# KiCad board hypjolin.kicad_pcb (continued)
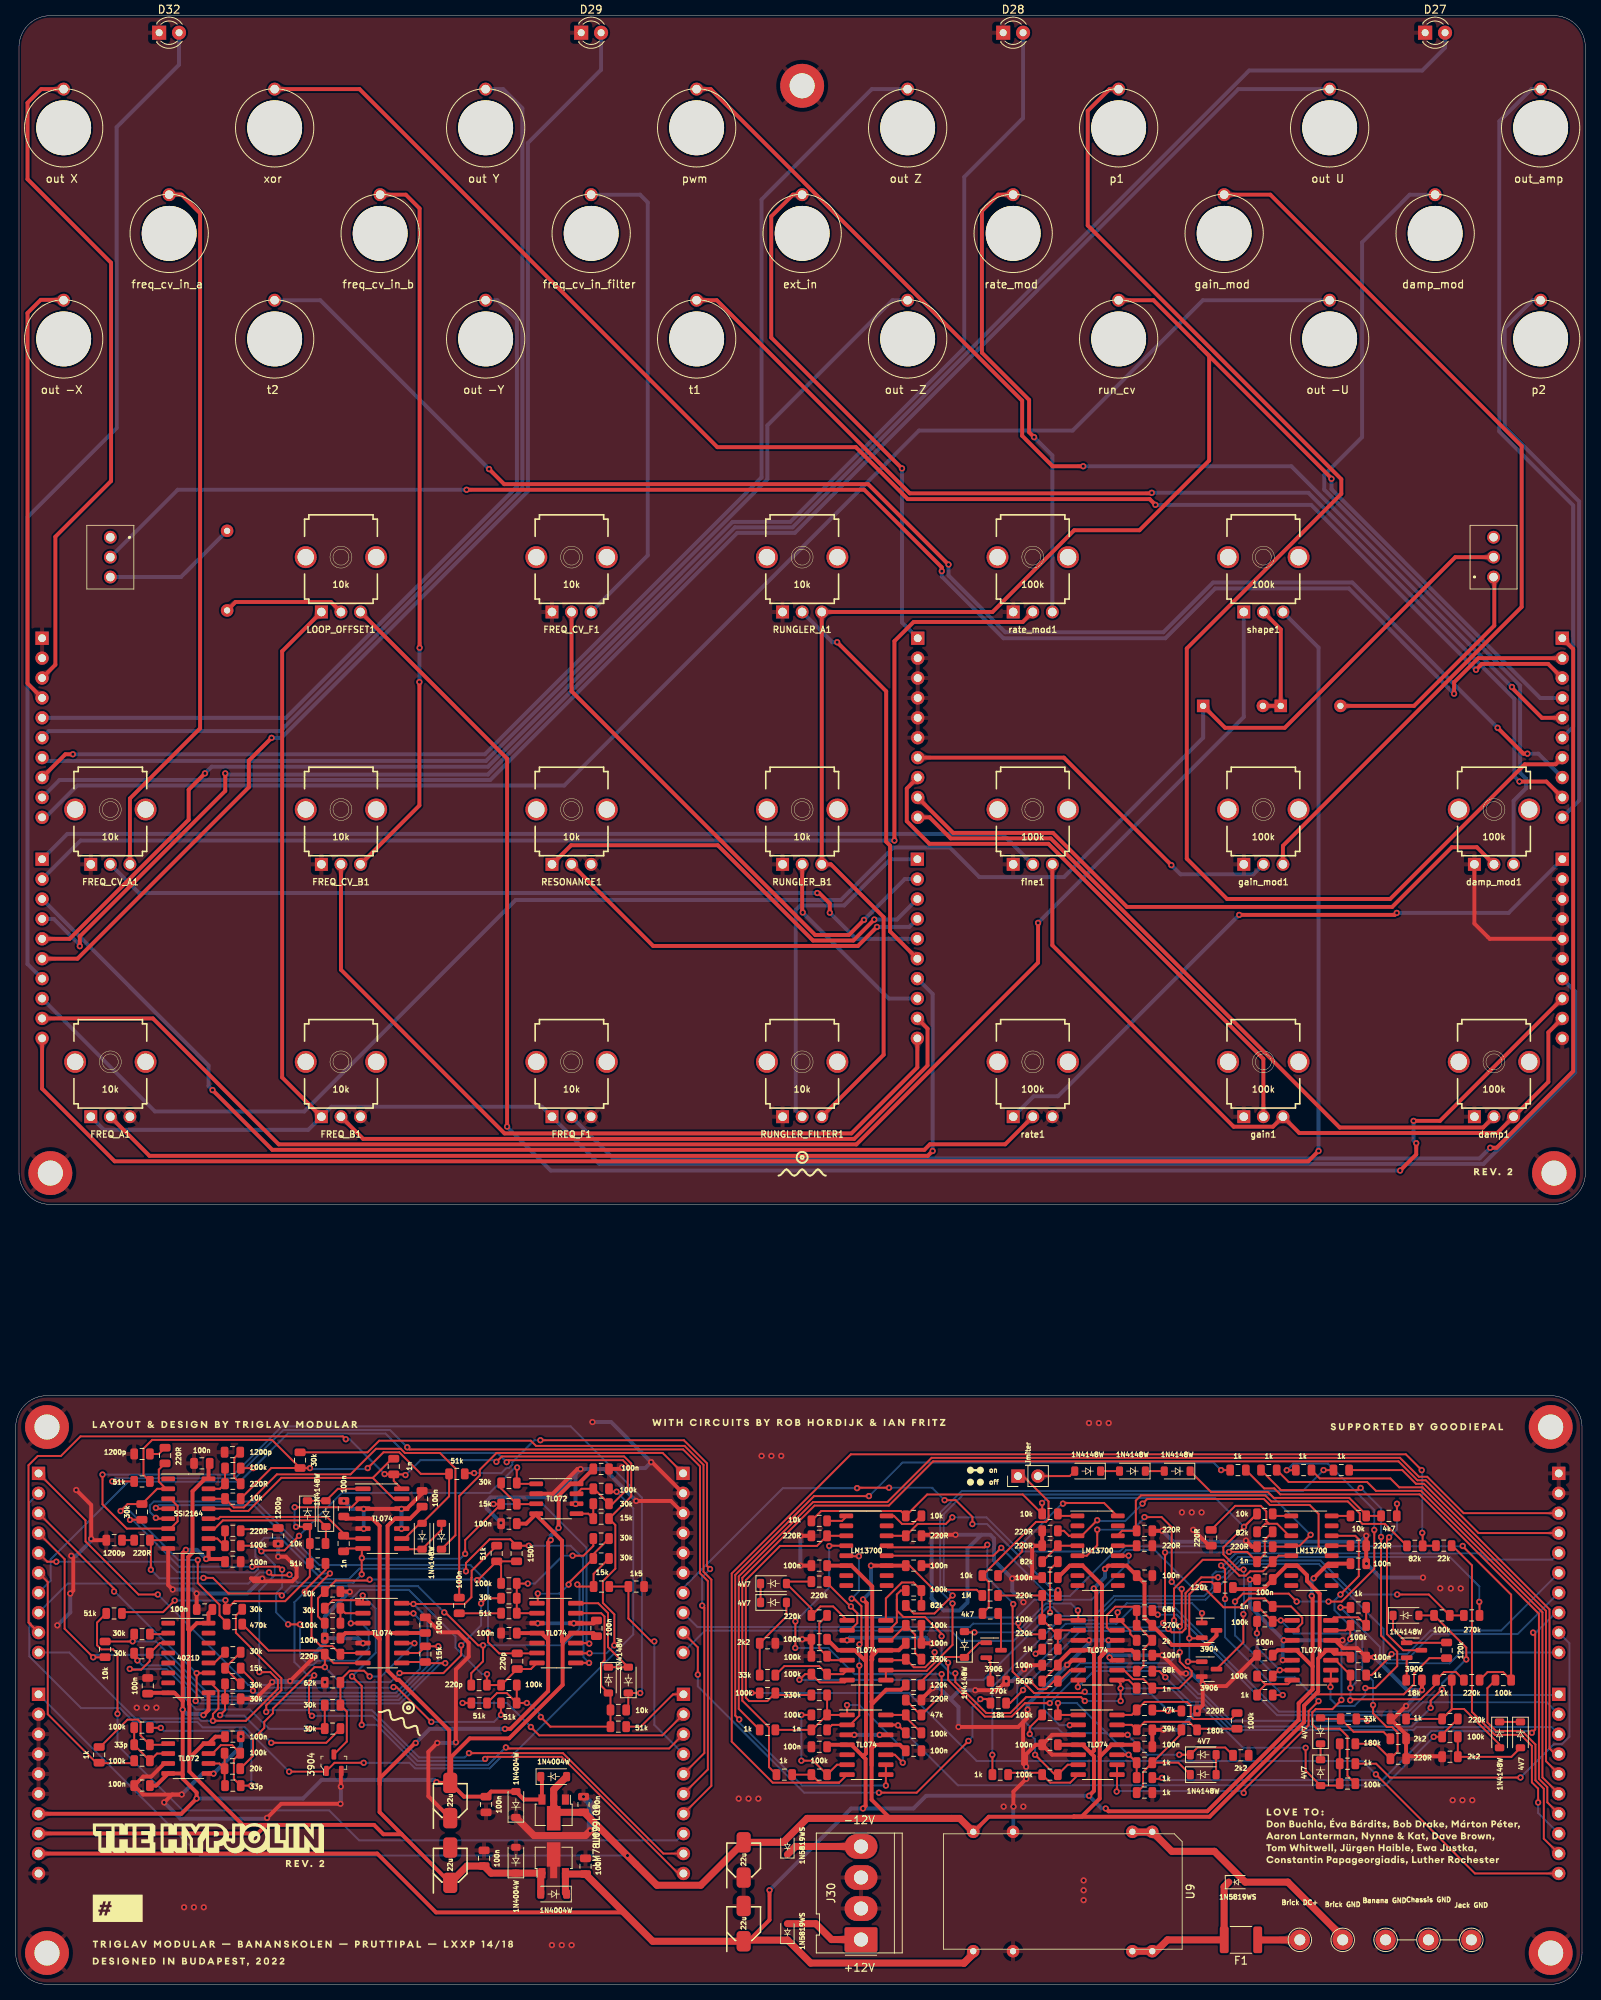
[diagram p0: board, top side]
## Copper pours and planes (outline as drawn; the poured copper is in the pictures) (continued)
/P / shape_IN1 on Top: 3.62,119.03 3.63,119.22 3.65,119.39 3.68,119.52 3.73,119.64 3.78,119.75 3.84,119.85 3.98,120.07 4.06,120.2 4.14,120.35 3.37,121.15 2.61,120.35 2.68,120.2 2.76,120.07 2.9,119.85 2.96,119.75 3.02,119.64 3.06,119.52 3.09,119.39 3.11,119.22 3.12,119.03
/P / shape_IN1 on Bottom: 163.15,174.14 163.02,174.28 162.93,174.41 162.85,174.52 162.8,174.63 162.76,174.74 162.73,174.86 162.68,175.1 162.64,175.24 162.59,175.4 161.52,175.42 161.54,174.35 161.7,174.3 161.84,174.26 162.08,174.21 162.2,174.18 162.31,174.14 162.42,174.09 162.53,174.02 162.66,173.92 162.8,173.79
/P / shape_IN2 on Top: 5.06,123.51 4.87,123.52 4.7,123.54 4.57,123.57 4.45,123.61 4.34,123.67 4.24,123.73 4.02,123.87 3.89,123.95 3.74,124.03 2.95,123.26 3.74,122.5 3.89,122.57 4.02,122.65 4.24,122.79 4.34,122.85 4.45,122.91 4.57,122.95 4.7,122.98 4.87,123 5.06,123.01
/P / shape_IN2 on Bottom: 157.06,173.48 157.07,173.67 157.09,173.83 157.12,173.97 157.16,174.08 157.21,174.19 157.27,174.29 157.41,174.5 157.48,174.62 157.56,174.77 156.81,175.54 156.07,174.77 156.15,174.62 156.22,174.5 156.36,174.29 156.41,174.19 156.46,174.08 156.51,173.97 156.54,173.83 156.56,173.67 156.56,173.48
/P / shape_OUT on Top: 152.93,162.2 152.8,162.33 152.71,162.45 152.64,162.56 152.59,162.67 152.55,162.78 152.52,162.88 152.47,163.12 152.43,163.25 152.38,163.41 151.35,163.43 151.37,162.39 151.52,162.34 151.65,162.3 151.89,162.25 152,162.22 152.1,162.18 152.21,162.13 152.32,162.06 152.44,161.97 152.58,161.84
/P / shape_OUT on Top: 187.08,181.88 187.27,181.87 187.42,181.85 187.56,181.82 187.67,181.78 187.77,181.73 187.87,181.67 188.08,181.54 188.21,181.46 188.35,181.39 189.12,182.12 188.35,182.86 188.21,182.79 188.08,182.71 187.87,182.58 187.77,182.52 187.67,182.47 187.56,182.43 187.42,182.4 187.27,182.38 187.08,182.38
/P / shape_OUT on Bottom: 151.88,161.55 151.88,161.74 151.9,161.89 151.93,162.02 151.97,162.13 152.02,162.23 152.08,162.33 152.2,162.53 152.27,162.65 152.35,162.79 151.63,163.54 150.91,162.79 150.98,162.65 151.05,162.53 151.18,162.33 151.24,162.23 151.28,162.13 151.32,162.02 151.35,161.89 151.37,161.74 151.38,161.55
/P / shape_OUT on Bottom: 4.74,124.78 4.61,124.92 4.51,125.05 4.44,125.17 4.38,125.29 4.35,125.4 4.32,125.52 4.26,125.77 4.22,125.92 4.17,126.08 3.07,126.1 3.09,125 3.25,124.95 3.4,124.91 3.65,124.85 3.77,124.83 3.88,124.79 4,124.73 4.12,124.66 4.25,124.56 4.39,124.43
/P / T1 on Top: 196.11,152.48 196.24,152.33 196.34,152.21 196.41,152.08 196.46,151.97 196.5,151.86 196.53,151.74 196.59,151.49 196.62,151.34 196.67,151.18 197.78,151.16 197.76,152.26 197.59,152.31 197.45,152.35 197.2,152.4 197.08,152.43 196.97,152.47 196.85,152.52 196.73,152.6 196.6,152.7 196.46,152.83
/P / T1 on Top: 88.59,215.16 88.4,215.17 88.24,215.19 88.11,215.22 87.99,215.26 87.89,215.31 87.79,215.37 87.58,215.5 87.45,215.58 87.31,215.65 86.53,214.91 87.31,214.17 87.45,214.25 87.58,214.32 87.79,214.45 87.89,214.51 87.99,214.56 88.11,214.6 88.24,214.64 88.4,214.66 88.59,214.66
/P / T2 on Bottom: 196.11,155.02 196.24,154.87 196.34,154.75 196.41,154.62 196.46,154.51 196.5,154.4 196.53,154.28 196.59,154.03 196.62,153.88 196.67,153.72 197.78,153.7 197.76,154.8 197.59,154.85 197.45,154.89 197.2,154.94 197.08,154.97 196.97,155.01 196.85,155.06 196.73,155.14 196.6,155.24 196.46,155.37
/P / T2 on Bottom: 34.71,215.16 34.52,215.17 34.36,215.19 34.23,215.22 34.11,215.26 34.01,215.31 33.91,215.37 33.69,215.5 33.57,215.58 33.42,215.65 32.65,214.91 33.42,214.17 33.57,214.25 33.69,214.32 33.91,214.45 34.01,214.51 34.11,214.56 34.23,214.6 34.36,214.64 34.52,214.66 34.71,214.66
/P / XOR on Top: 34.71,242.1 34.52,242.11 34.36,242.13 34.23,242.16 34.11,242.2 34.01,242.25 33.91,242.31 33.69,242.45 33.57,242.52 33.42,242.6 32.65,241.85 33.42,241.11 33.57,241.19 33.69,241.26 33.91,241.4 34.01,241.45 34.11,241.5 34.23,241.55 34.36,241.58 34.52,241.6 34.71,241.6
/P / XOR on Top: 196.11,167.72 196.24,167.57 196.34,167.45 196.41,167.32 196.46,167.21 196.5,167.1 196.53,166.98 196.59,166.73 196.62,166.58 196.67,166.42 197.78,166.4 197.76,167.5 197.59,167.55 197.45,167.59 197.2,167.64 197.08,167.67 196.97,167.71 196.85,167.76 196.73,167.84 196.6,167.94 196.46,168.07
/PWM on Top: 4.16,54.06 3.99,54.08 3.88,54.14 3.81,54.23 3.78,54.35 3.77,54.48 3.77,54.64 3.78,54.81 3.78,54.98 3.77,55.15 3.72,55.32 2.62,55.35 2.92,54.2 3.08,54.18 3.21,54.16 3.32,54.11 3.42,54.06 3.51,54 3.61,53.95 3.72,53.89 3.84,53.85 3.99,53.82 4.16,53.81
/rate_mod_pot on Bottom: 195.74,35.57 195.88,35.42 195.97,35.29 196.04,35.16 196.08,35.04 196.1,34.91 196.11,34.79 196.13,34.66 196.14,34.52 196.17,34.36 196.23,34.19 197.33,34.17 197.31,35.27 197.13,35.32 196.98,35.35 196.84,35.37 196.7,35.38 196.58,35.39 196.46,35.42 196.33,35.46 196.21,35.52 196.07,35.62 195.92,35.75
/rate_pot on Bottom: 195.7,32.7 195.85,32.68 195.96,32.64 196.04,32.56 196.09,32.47 196.12,32.36 196.14,32.23 196.15,32.09 196.16,31.94 196.18,31.8 196.23,31.65 197.33,31.63 197.03,32.78 196.87,32.78 196.73,32.79 196.61,32.81 196.5,32.84 196.29,32.89 196.17,32.91 196.04,32.93 195.88,32.94 195.7,32.95
/reso_pot_A on Bottom: 83.98,30.49 84.12,30.34 84.21,30.21 84.28,30.08 84.32,29.96 84.34,29.83 84.35,29.71 84.37,29.58 84.38,29.44 84.41,29.28 84.47,29.11 85.57,29.09 85.55,30.19 85.37,30.24 85.22,30.27 85.08,30.29 84.94,30.3 84.82,30.31 84.7,30.34 84.57,30.38 84.45,30.44 84.31,30.54 84.16,30.67
/reso_pot_B on Top: 84.16,30.64 84.31,30.78 84.45,30.87 84.57,30.94 84.7,30.97 84.82,31 84.94,31.01 85.08,31.02 85.22,31.04 85.37,31.07 85.55,31.12 85.57,32.23 84.47,32.21 84.41,32.03 84.38,31.88 84.37,31.73 84.35,31.6 84.34,31.48 84.32,31.36 84.28,31.23 84.21,31.1 84.12,30.97 83.98,30.82
/run_a_pot on Top: 86.37,25.59 86.23,25.46 86.09,25.36 85.96,25.3 85.84,25.26 85.72,25.23 85.59,25.22 85.46,25.21 85.32,25.19 85.16,25.16 84.99,25.11 84.97,24.01 86.07,24.03 86.12,24.2 86.15,24.36 86.17,24.5 86.18,24.63 86.2,24.75 86.22,24.88 86.26,25 86.32,25.13 86.42,25.26 86.55,25.41
/run_b_pot on Bottom: 83.92,18.25 84.11,18.25 84.26,18.26 84.4,18.28 84.51,18.3 84.73,18.33 84.84,18.35 84.96,18.36 85.1,18.37 85.27,18.38 85.57,19.53 84.47,19.51 84.43,19.36 84.4,19.22 84.37,18.95 84.34,18.82 84.31,18.72 84.26,18.63 84.18,18.56 84.07,18.52 83.92,18.5
/RUN_CV on Top: 4.21,56.48 4.07,56.63 3.98,56.76 3.91,56.89 3.87,57.01 3.85,57.14 3.84,57.26 3.82,57.39 3.81,57.54 3.78,57.69 3.72,57.86 2.62,57.89 2.64,56.78 2.82,56.73 2.97,56.7 3.11,56.68 3.25,56.67 3.37,56.66 3.49,56.63 3.62,56.59 3.74,56.53 3.88,56.44 4.03,56.3
/run_f_pot on Top: 83.76,36.66 83.89,36.76 84,36.8 84.11,36.8 84.21,36.76 84.31,36.7 84.41,36.61 84.52,36.51 84.64,36.41 84.76,36.32 84.9,36.24 85.69,37.01 84.67,37.61 84.55,37.5 84.44,37.41 84.34,37.35 84.24,37.29 84.05,37.19 83.95,37.13 83.84,37.05 83.72,36.96 83.59,36.83
/shape_IN1 on Top: 195.34,14.02 195.54,14.01 195.7,13.98 195.84,13.94 195.95,13.88 196.05,13.81 196.15,13.73 196.25,13.64 196.37,13.56 196.5,13.47 196.66,13.38 197.45,14.15 196.66,14.91 196.5,14.82 196.37,14.74 196.25,14.65 196.15,14.56 196.05,14.49 195.95,14.42 195.84,14.36 195.7,14.31 195.54,14.28 195.34,14.27
/shape_IN2 on Top: 195.74,17.79 195.88,17.64 195.97,17.51 196.04,17.38 196.08,17.26 196.1,17.13 196.11,17.01 196.13,16.88 196.14,16.74 196.17,16.58 196.23,16.41 197.33,16.39 197.31,17.49 197.13,17.54 196.98,17.57 196.84,17.59 196.7,17.6 196.58,17.61 196.46,17.64 196.33,17.68 196.21,17.74 196.07,17.84 195.92,17.97
/shape_OUT on Bottom: 195.74,20.33 195.88,20.18 195.97,20.05 196.04,19.92 196.08,19.8 196.1,19.67 196.11,19.55 196.13,19.42 196.14,19.28 196.17,19.12 196.23,18.95 197.33,18.93 197.31,20.03 197.13,20.08 196.98,20.11 196.84,20.13 196.7,20.14 196.58,20.15 196.46,20.18 196.33,20.22 196.21,20.28 196.07,20.38 195.92,20.51
/T1 on Top: 1.64,45.99 1.77,45.84 1.87,45.71 1.93,45.58 1.97,45.46 1.99,45.33 2.01,45.21 2.02,45.08 2.04,44.94 2.07,44.78 2.12,44.61 3.22,44.58 3.2,45.69 3.03,45.74 2.87,45.77 2.73,45.79 2.6,45.8 2.47,45.81 2.35,45.84 2.23,45.88 2.1,45.94 1.96,46.03 1.82,46.17
/T1 on Top: 1.77,46.06 1.78,45.94 1.82,45.82 1.86,45.72 1.92,45.62 1.99,45.54 2.05,45.46 2.15,45.35 2.17,45.32 2.18,45.29 3.22,44.58 2.51,45.63 2.49,45.63 2.45,45.63 2.39,45.65 2.32,45.68 2.25,45.71 2.18,45.76 2.12,45.82 2.07,45.89 2.03,45.97 2.02,46.06
/T2 on Bottom: 4.03,48.71 3.88,48.57 3.74,48.48 3.62,48.42 3.49,48.38 3.37,48.35 3.25,48.34 3.11,48.33 2.97,48.31 2.82,48.28 2.64,48.23 2.62,47.12 3.72,47.15 3.78,47.32 3.81,47.48 3.82,47.62 3.84,47.75 3.85,47.87 3.87,48 3.91,48.12 3.98,48.25 4.07,48.38 4.21,48.53
/V+ on Top: 4.63,19.5 4.43,19.51 4.26,19.53 4.12,19.56 4,19.6 3.89,19.66 3.78,19.72 3.56,19.85 3.43,19.93 3.27,20 2.5,19.21 3.32,18.47 3.46,18.56 3.59,18.64 3.81,18.78 3.91,18.84 4.02,18.9 4.13,18.94 4.27,18.97 4.43,18.99 4.63,19
/V- on Top: 4.61,22.02 4.42,22.02 4.26,22.04 4.12,22.08 4,22.12 3.89,22.17 3.79,22.24 3.57,22.38 3.44,22.45 3.29,22.53 2.5,21.77 3.29,21 3.44,21.08 3.57,21.16 3.79,21.3 3.89,21.36 4,21.41 4.12,21.46 4.26,21.49 4.42,21.51 4.61,21.52
/XOR on Top: 4.21,59.02 4.07,59.17 3.98,59.3 3.91,59.43 3.87,59.55 3.85,59.68 3.84,59.8 3.82,59.93 3.81,60.08 3.78,60.23 3.72,60.4 2.62,60.43 2.64,59.32 2.82,59.27 2.97,59.24 3.11,59.22 3.25,59.21 3.37,59.2 3.49,59.17 3.62,59.13 3.74,59.07 3.88,58.98 4.03,58.84
P / GND on Top, Bottom: 204.97,87.2 -7.76,87.2 -7.12,253.06 206.24,253.06
P / V+ on Top: 196.46,124.43 196.6,124.56 196.73,124.66 196.85,124.73 196.97,124.79 197.08,124.83 197.2,124.85 197.45,124.91 197.59,124.95 197.76,125 197.78,126.1 196.67,126.08 196.62,125.92 196.59,125.77 196.53,125.52 196.5,125.4 196.46,125.29 196.41,125.17 196.34,125.05 196.24,124.92 196.11,124.78
P / V+ on Top: 45.37,174.14 45.25,174.28 45.15,174.41 45.07,174.52 45.02,174.63 44.98,174.74 44.95,174.86 44.9,175.1 44.86,175.24 44.81,175.4 43.74,175.42 43.76,174.35 43.92,174.3 44.06,174.26 44.31,174.21 44.42,174.18 44.53,174.14 44.64,174.09 44.76,174.02 44.88,173.92 45.02,173.79
P / V- on Top: 37.7,111.71 37.82,111.57 37.92,111.44 38,111.32 38.05,111.21 38.09,111.1 38.12,110.99 38.17,110.75 38.21,110.61 38.26,110.45 39.33,110.43 39.31,111.5 39.15,111.55 39.01,111.58 38.76,111.64 38.65,111.67 38.54,111.71 38.43,111.76 38.31,111.83 38.19,111.93 38.05,112.06
P / V- on Top: 38.05,173.79 38.19,173.92 38.31,174.02 38.43,174.09 38.54,174.14 38.65,174.18 38.76,174.21 39.01,174.26 39.15,174.3 39.31,174.35 39.33,175.42 38.26,175.4 38.21,175.24 38.17,175.1 38.12,174.86 38.09,174.74 38.05,174.63 38,174.52 37.92,174.41 37.82,174.28 37.7,174.14
P / V- on Bottom: 69.82,109.73 69.69,109.87 69.59,110 69.52,110.11 69.47,110.23 69.43,110.34 69.4,110.45 69.34,110.69 69.31,110.83 69.26,110.99 68.19,111.01 68.21,109.94 68.37,109.89 68.51,109.86 68.75,109.8 68.86,109.77 68.97,109.73 69.09,109.68 69.2,109.61 69.33,109.51 69.47,109.38
P / V- on Bottom: 40.02,112.06 39.88,111.93 39.76,111.83 39.64,111.76 39.53,111.71 39.42,111.67 39.31,111.64 39.06,111.58 38.92,111.55 38.77,111.5 38.74,110.43 39.81,110.45 39.86,110.61 39.9,110.75 39.96,110.99 39.98,111.1 40.02,111.21 40.08,111.32 40.15,111.44 40.25,111.57 40.38,111.71
P / V- on Bottom: 38.05,109.38 38.19,109.51 38.31,109.61 38.43,109.68 38.54,109.73 38.65,109.77 38.76,109.8 39.01,109.86 39.15,109.89 39.31,109.94 39.33,111.01 38.26,110.99 38.21,110.83 38.17,110.69 38.12,110.45 38.09,110.34 38.05,110.23 38,110.11 37.92,110 37.82,109.87 37.7,109.73
P / V- on Bottom: 10.93,109.73 10.8,109.87 10.7,110 10.63,110.11 10.58,110.23 10.54,110.34 10.51,110.45 10.46,110.69 10.42,110.83 10.37,110.99 9.3,111.01 9.32,109.94 9.48,109.89 9.62,109.86 9.86,109.8 9.98,109.77 10.08,109.73 10.2,109.68 10.31,109.61 10.44,109.51 10.58,109.38
P / V- on Bottom: 67.14,111.71 67.27,111.57 67.37,111.44 67.44,111.32 67.49,111.21 67.53,111.1 67.56,110.99 67.62,110.75 67.65,110.61 67.7,110.45 68.77,110.43 68.75,111.5 68.59,111.55 68.45,111.58 68.21,111.64 68.1,111.67 67.99,111.71 67.88,111.76 67.76,111.83 67.63,111.93 67.49,112.06
P / V- on Bottom: 198.85,127.32 198.72,127.46 198.62,127.59 198.54,127.71 198.49,127.83 198.45,127.94 198.42,128.06 198.37,128.31 198.33,128.46 198.28,128.62 197.18,128.64 197.2,127.54 197.36,127.49 197.51,127.45 197.76,127.39 197.87,127.37 197.99,127.33 198.1,127.27 198.22,127.2 198.35,127.1 198.5,126.97
P / VCC on Top: 132.62,141.28 132.62,141.47 132.64,141.63 132.68,141.76 132.72,141.88 132.77,141.98 132.83,142.08 132.96,142.29 133.03,142.42 133.11,142.56 132.37,143.34 131.63,142.56 131.7,142.42 131.78,142.29 131.91,142.08 131.97,141.98 132.02,141.88 132.06,141.76 132.09,141.63 132.11,141.47 132.12,141.28
P / VCC on Top: 190.27,109.38 190.41,109.51 190.54,109.61 190.65,109.68 190.76,109.73 190.87,109.77 190.99,109.8 191.23,109.86 191.37,109.89 191.53,109.94 191.55,111.01 190.48,110.99 190.43,110.83 190.39,110.69 190.34,110.45 190.31,110.34 190.27,110.23 190.22,110.11 190.14,110 190.05,109.87 189.92,109.73
P / VCC on Top: 160.83,109.38 160.97,109.51 161.09,109.61 161.21,109.68 161.32,109.73 161.43,109.77 161.54,109.8 161.79,109.86 161.93,109.89 162.08,109.94 162.1,111.01 161.03,110.99 160.98,110.83 160.95,110.69 160.89,110.45 160.86,110.34 160.83,110.23 160.77,110.11 160.7,110 160.6,109.87 160.47,109.73
P / VCC on Top: 196.46,121.89 196.6,122.02 196.73,122.12 196.85,122.19 196.97,122.25 197.08,122.29 197.2,122.31 197.45,122.37 197.59,122.41 197.76,122.46 197.78,123.56 196.67,123.54 196.62,123.38 196.59,123.23 196.53,122.98 196.5,122.86 196.46,122.75 196.41,122.63 196.34,122.51 196.24,122.38 196.11,122.24
P / VCC on Top: 163.15,109.73 163.02,109.87 162.93,110 162.85,110.11 162.8,110.23 162.76,110.34 162.73,110.45 162.68,110.69 162.64,110.83 162.59,110.99 161.52,111.01 161.54,109.94 161.7,109.89 161.84,109.86 162.08,109.8 162.2,109.77 162.31,109.73 162.42,109.68 162.53,109.61 162.66,109.51 162.8,109.38
P / VCC on Top: 192.24,112.06 192.1,111.93 191.98,111.83 191.86,111.76 191.75,111.71 191.64,111.67 191.53,111.64 191.28,111.58 191.14,111.55 190.99,111.5 190.97,110.43 192.04,110.45 192.09,110.61 192.12,110.75 192.18,110.99 192.21,111.1 192.24,111.21 192.3,111.32 192.37,111.44 192.47,111.57 192.6,111.71
P / VEE on Bottom: 128.36,112.06 128.22,111.93 128.09,111.83 127.97,111.76 127.86,111.71 127.75,111.67 127.64,111.64 127.4,111.58 127.26,111.55 127.1,111.5 127.08,110.43 128.15,110.45 128.2,110.61 128.23,110.75 128.29,110.99 128.32,111.1 128.36,111.21 128.41,111.32 128.48,111.44 128.58,111.57 128.71,111.71
P / VEE on Bottom: 196.46,142.21 196.6,142.34 196.73,142.44 196.85,142.51 196.97,142.57 197.08,142.61 197.2,142.63 197.45,142.69 197.59,142.73 197.76,142.78 197.78,143.88 196.67,143.86 196.62,143.7 196.59,143.55 196.53,143.3 196.5,143.18 196.46,143.07 196.41,142.95 196.34,142.83 196.24,142.7 196.11,142.56
Net-(D12-Pad2) on Top: 104.79,5.26 105.15,5.25 105.46,5.21 105.71,5.15 105.93,5.06 106.13,4.96 106.32,4.85 106.52,4.72 106.73,4.58 106.97,4.44 107.25,4.29 108.73,5.71 107.25,7.13 106.97,6.99 106.73,6.84 106.52,6.71 106.32,6.58 106.13,6.46 105.93,6.36 105.71,6.28 105.46,6.22 105.15,6.18 104.79,6.16
Net-(D13-Pad1) on Top: 104.79,17.14 105.15,17.13 105.46,17.09 105.71,17.03 105.93,16.94 106.13,16.84 106.32,16.73 106.52,16.6 106.73,16.46 106.97,16.32 107.25,16.17 108.73,17.59 107.25,19.01 106.97,18.87 106.73,18.72 106.52,18.59 106.32,18.46 106.13,18.34 105.93,18.24 105.71,18.16 105.46,18.1 105.15,18.06 104.79,18.04
Net-(D18-Pad2) on Top: 132.21,64.98 132.02,64.99 131.85,65.02 131.72,65.07 131.6,65.13 131.5,65.2 131.4,65.28 131.3,65.36 131.19,65.45 131.05,65.54 130.9,65.62 130.1,64.86 130.9,64.09 131.05,64.18 131.19,64.27 131.3,64.36 131.4,64.44 131.5,64.52 131.6,64.59 131.72,64.65 131.85,64.69 132.02,64.72 132.21,64.73
Net-(D30-Pad2) on Top: 159.94,162.89 160.13,162.89 160.28,162.87 160.41,162.84 160.52,162.8 160.62,162.75 160.72,162.7 160.92,162.57 161.04,162.5 161.19,162.42 161.93,163.14 161.19,163.86 161.04,163.79 160.92,163.72 160.72,163.59 160.62,163.54 160.52,163.49 160.41,163.45 160.28,163.42 160.13,163.4 159.94,163.39
Net-(D30-Pad2) on Top: 160.65,174.14 160.52,174.28 160.43,174.41 160.35,174.52 160.3,174.63 160.26,174.74 160.23,174.86 160.18,175.1 160.14,175.24 160.09,175.4 159.02,175.42 159.04,174.35 159.2,174.3 159.34,174.26 159.59,174.21 159.7,174.18 159.81,174.14 159.92,174.09 160.04,174.02 160.16,173.92 160.3,173.79
Net-(D30-Pad2) on Top: 160.84,163.39 160.66,163.4 160.5,163.42 160.37,163.45 160.26,163.49 160.16,163.54 160.06,163.59 159.86,163.72 159.74,163.79 159.6,163.86 158.85,163.14 159.6,162.42 159.74,162.5 159.86,162.57 160.06,162.7 160.16,162.75 160.26,162.8 160.37,162.84 160.5,162.87 160.66,162.89 160.84,162.89
Net-(D30-Pad2) on Top: 161.28,164.73 161.28,164.55 161.26,164.4 161.23,164.27 161.19,164.16 161.14,164.05 161.09,163.96 160.96,163.75 160.89,163.63 160.81,163.49 161.53,162.74 162.25,163.49 162.18,163.63 162.11,163.75 161.98,163.96 161.93,164.05 161.88,164.16 161.84,164.27 161.81,164.4 161.79,164.55 161.78,164.73
Net-(D31-Pad2) on Top: 170.74,163.39 170.56,163.4 170.41,163.42 170.28,163.45 170.17,163.49 170.07,163.54 169.97,163.59 169.76,163.72 169.64,163.79 169.5,163.86 168.75,163.14 169.5,162.42 169.64,162.5 169.76,162.57 169.97,162.7 170.07,162.75 170.17,162.8 170.28,162.84 170.41,162.87 170.56,162.89 170.74,162.89
Net-(D31-Pad2) on Top: 189.05,177.95 189.06,178.14 189.07,178.31 189.1,178.45 189.14,178.57 189.19,178.68 189.24,178.79 189.3,178.9 189.36,179.02 189.42,179.15 189.48,179.31 188.66,179.99 188.02,179.15 188.1,179.02 188.19,178.9 188.26,178.8 188.33,178.71 188.4,178.62 188.45,178.52 188.49,178.41 188.52,178.28 188.54,178.13 188.55,177.95
Net-(D33-Pad1) on Top: 146.14,5.38 146.04,5.28 145.94,5.2 145.86,5.14 145.77,5.09 145.69,5.05 145.6,5.03 145.52,5.01 145.43,5.01 145.33,5.01 145.22,5.02 144.75,4.09 145.7,3.66 146.77,4.74
Net-(D33-Pad1) on Top: 144.18,4.68 144,4.68 143.85,4.68 143.72,4.69 143.6,4.71 143.49,4.73 143.38,4.76 143.28,4.79 143.18,4.83 143.06,4.89 142.94,4.94 142.19,4.23 142.94,3.5 143.06,3.56 143.18,3.62 143.28,3.66 143.38,3.69 143.49,3.72 143.6,3.74 143.72,3.76 143.85,3.77 144,3.77 144.18,3.77
Net-(D33-Pad1) on Top: 144.03,3.77 144.14,3.77 144.23,3.76 144.32,3.74 144.39,3.72 144.45,3.69 144.51,3.66 144.63,3.58 144.7,3.55 144.78,3.5 145.53,4.23 144.78,4.94 144.7,4.9 144.63,4.87 144.51,4.79 144.45,4.76 144.39,4.73 144.32,4.71 144.23,4.69 144.14,4.68 144.03,4.68
Net-(D33-Pad2) on Top: 146.58,18.65 146.45,18.78 146.35,18.89 146.26,19 146.19,19.09 146.12,19.18 146.07,19.28 146.02,19.37 145.98,19.48 145.93,19.6 145.89,19.73 144.85,19.75 144.87,18.71 145,18.66 145.12,18.62 145.22,18.57 145.32,18.53 145.41,18.47 145.5,18.41 145.6,18.33 145.7,18.25 145.82,18.14 145.94,18.02
Net-(D33-Pad2) on Top: 167.65,7.19 167.81,7.02 167.93,6.86 168.01,6.71 168.07,6.56 168.1,6.42 168.12,6.27 168.13,6.11 168.13,5.95 168.13,5.76 168.15,5.56 169.78,5.12 170.15,6.77 169.93,6.9 169.74,6.99 169.56,7.07 169.22,7.2 169.05,7.27 168.88,7.36 168.7,7.47 168.51,7.63 168.29,7.83
Net-(D33-Pad2) on Top: 144.19,19.88 144.02,19.88 143.86,19.89 143.73,19.9 143.61,19.92 143.51,19.94 143.4,19.97 143.3,20 143.2,20.05 143.09,20.1 142.97,20.17 142.19,19.48 142.91,18.73 143.04,18.79 143.16,18.83 143.26,18.87 143.37,18.9 143.48,18.93 143.59,18.95 143.71,18.96 143.85,18.97 144.01,18.98 144.19,18.98
Net-(D33-Pad2) on Top: 143.58,18.98 143.75,18.98 143.9,18.97 144.04,18.96 144.16,18.95 144.26,18.93 144.37,18.9 144.47,18.87 144.57,18.83 144.69,18.78 144.82,18.73 145.53,19.48 144.75,20.17 144.63,20.11 144.53,20.05 144.43,20.01 144.33,19.97 144.23,19.94 144.13,19.92 144.02,19.9 143.89,19.89 143.74,19.88 143.58,19.88
Net-(F1-Pad1) on Top: 161.36,5.21 161.66,5.21 161.91,5.18 162.13,5.14 162.31,5.08 162.48,5.01 162.64,4.92 162.81,4.83 162.98,4.73 163.18,4.62 163.41,4.5 164.62,5.68 163.39,6.84 163.16,6.72 162.97,6.61 162.79,6.51 162.63,6.41 162.47,6.33 162.31,6.25 162.12,6.2 161.91,6.15 161.66,6.12 161.36,6.12
Net-(FREQ_CV_A1-Pad3) on Top: 14.34,144.57 14.33,144.38 14.31,144.22 14.28,144.09 14.24,143.97 14.19,143.87 14.13,143.77 14,143.55 13.92,143.43 13.85,143.28 14.59,142.51 15.33,143.28 15.26,143.43 15.18,143.55 15.05,143.77 14.99,143.87 14.94,143.97 14.9,144.09 14.87,144.22 14.85,144.38 14.84,144.57
Net-(FREQ_CV_A1-Pad3) on Top: 21.41,228.51 21.27,228.63 21.14,228.7 21.01,228.74 20.89,228.76 20.77,228.77 20.65,228.77 20.53,228.78 20.41,228.81 20.3,228.87 20.18,228.97 19.18,228.38 19.95,227.64 20.09,227.72 20.21,227.82 20.32,227.93 20.42,228.05 20.52,228.15 20.62,228.23 20.71,228.28 20.82,228.29 20.93,228.26 21.05,228.16
Net-(FREQ_CV_B1-Pad3) on Top: 45.02,144.26 44.88,144.13 44.76,144.04 44.64,143.96 44.53,143.91 44.42,143.87 44.31,143.84 44.06,143.79 43.92,143.75 43.76,143.7 43.74,142.63 44.81,142.65 44.86,142.81 44.9,142.95 44.95,143.2 44.98,143.31 45.02,143.42 45.07,143.53 45.15,143.65 45.25,143.77 45.37,143.91
Net-(FREQ_CV_B1-Pad3) on Top: 48.18,228.63 47.99,228.64 47.83,228.66 47.7,228.69 47.58,228.73 47.48,228.78 47.38,228.84 47.17,228.98 47.04,229.05 46.9,229.13 46.12,228.38 46.9,227.64 47.04,227.72 47.17,227.79 47.38,227.93 47.48,227.98 47.58,228.03 47.7,228.08 47.83,228.11 47.99,228.13 48.18,228.13
Net-(FREQ_CV_F1-Pad3) on Bottom: 75.12,228.63 74.93,228.64 74.77,228.66 74.64,228.69 74.52,228.73 74.42,228.78 74.32,228.84 74.11,228.98 73.98,229.05 73.84,229.13 73.06,228.38 73.84,227.64 73.98,227.72 74.11,227.79 74.32,227.93 74.42,227.98 74.52,228.03 74.64,228.08 74.77,228.11 74.93,228.13 75.12,228.13
Net-(FREQ_CV_F1-Pad3) on Bottom: 74.46,176.47 74.33,176.34 74.2,176.24 74.08,176.17 73.97,176.12 73.86,176.08 73.75,176.05 73.51,175.99 73.37,175.96 73.21,175.91 73.19,174.84 74.26,174.86 74.31,175.02 74.34,175.16 74.4,175.4 74.43,175.51 74.47,175.62 74.52,175.73 74.59,175.85 74.69,175.98 74.82,176.11
Net-(J14-Pad1) on Top: 129.51,64.18 129.36,64.34 129.25,64.48 129.16,64.61 129.08,64.73 129.02,64.84 128.96,64.96 128.9,65.07 128.82,65.19 128.72,65.32 128.59,65.46 127.57,64.94 128.2,64.04 128.33,64.08 128.46,64.12 128.58,64.16 128.69,64.19 128.8,64.22 128.9,64.22 129,64.21 129.11,64.17 129.22,64.1 129.33,64
Net-(LOOP_OFFSET1-Pad2) on Top: 28.15,176.65 27.98,176.64 27.84,176.6 27.73,176.54 27.63,176.47 27.54,176.39 27.46,176.31 27.37,176.24 27.27,176.18 27.15,176.14 27,176.12 26.72,175.04 27.76,175.06 27.79,175.21 27.8,175.36 27.8,175.5 27.8,175.65 27.8,175.78 27.81,175.9 27.84,176.01 27.9,176.08 28.01,176.14 28.15,176.15
Net-(LOOP_OFFSET1-Pad2) on Top: 40.2,176.11 40.32,175.98 40.42,175.85 40.49,175.73 40.55,175.62 40.59,175.51 40.62,175.4 40.67,175.16 40.71,175.02 40.76,174.86 41.83,174.84 41.81,175.91 41.65,175.96 41.51,175.99 41.26,176.05 41.15,176.08 41.04,176.12 40.93,176.17 40.81,176.24 40.69,176.34 40.55,176.47
Net-(R18-Pad2) on Bottom: 26.05,184.18 26.19,184.31 26.31,184.4 26.42,184.47 26.53,184.53 26.63,184.56 26.74,184.59 26.98,184.65 27.11,184.68 27.26,184.73 27.28,185.77 26.24,185.75 26.2,185.6 26.16,185.46 26.11,185.23 26.08,185.12 26.04,185.01 25.99,184.9 25.92,184.79 25.82,184.67 25.7,184.54
Net-(R18-Pad2) on Bottom: 13.72,179.83 13.53,179.84 13.37,179.86 13.24,179.89 13.13,179.93 13.02,179.98 12.92,180.04 12.71,180.17 12.59,180.25 12.45,180.32 11.68,179.58 12.45,178.85 12.59,178.92 12.71,179 12.92,179.13 13.02,179.19 13.13,179.24 13.24,179.28 13.37,179.31 13.53,179.33 13.72,179.33

Small or netless copper shapes (teardrops, artwork), in the pictures only: 323 on Top, 314 on Bottom

## Text on the board
F.Silkscreen: on | off
